# Altium PCB Mp_PCBv1.PcbDoc (part 2 of 2)
Units mil, origin at the board's own origin, x right, y up, seen from the top; angles counter-clockwise.
Board outline 3730 x 2135 mil, 2 copper layers (Top Layer, Bottom Layer); 127 components, 126 nets, 480 pads, 75 vias.
Unrouted connection lines stored in the file: 144.
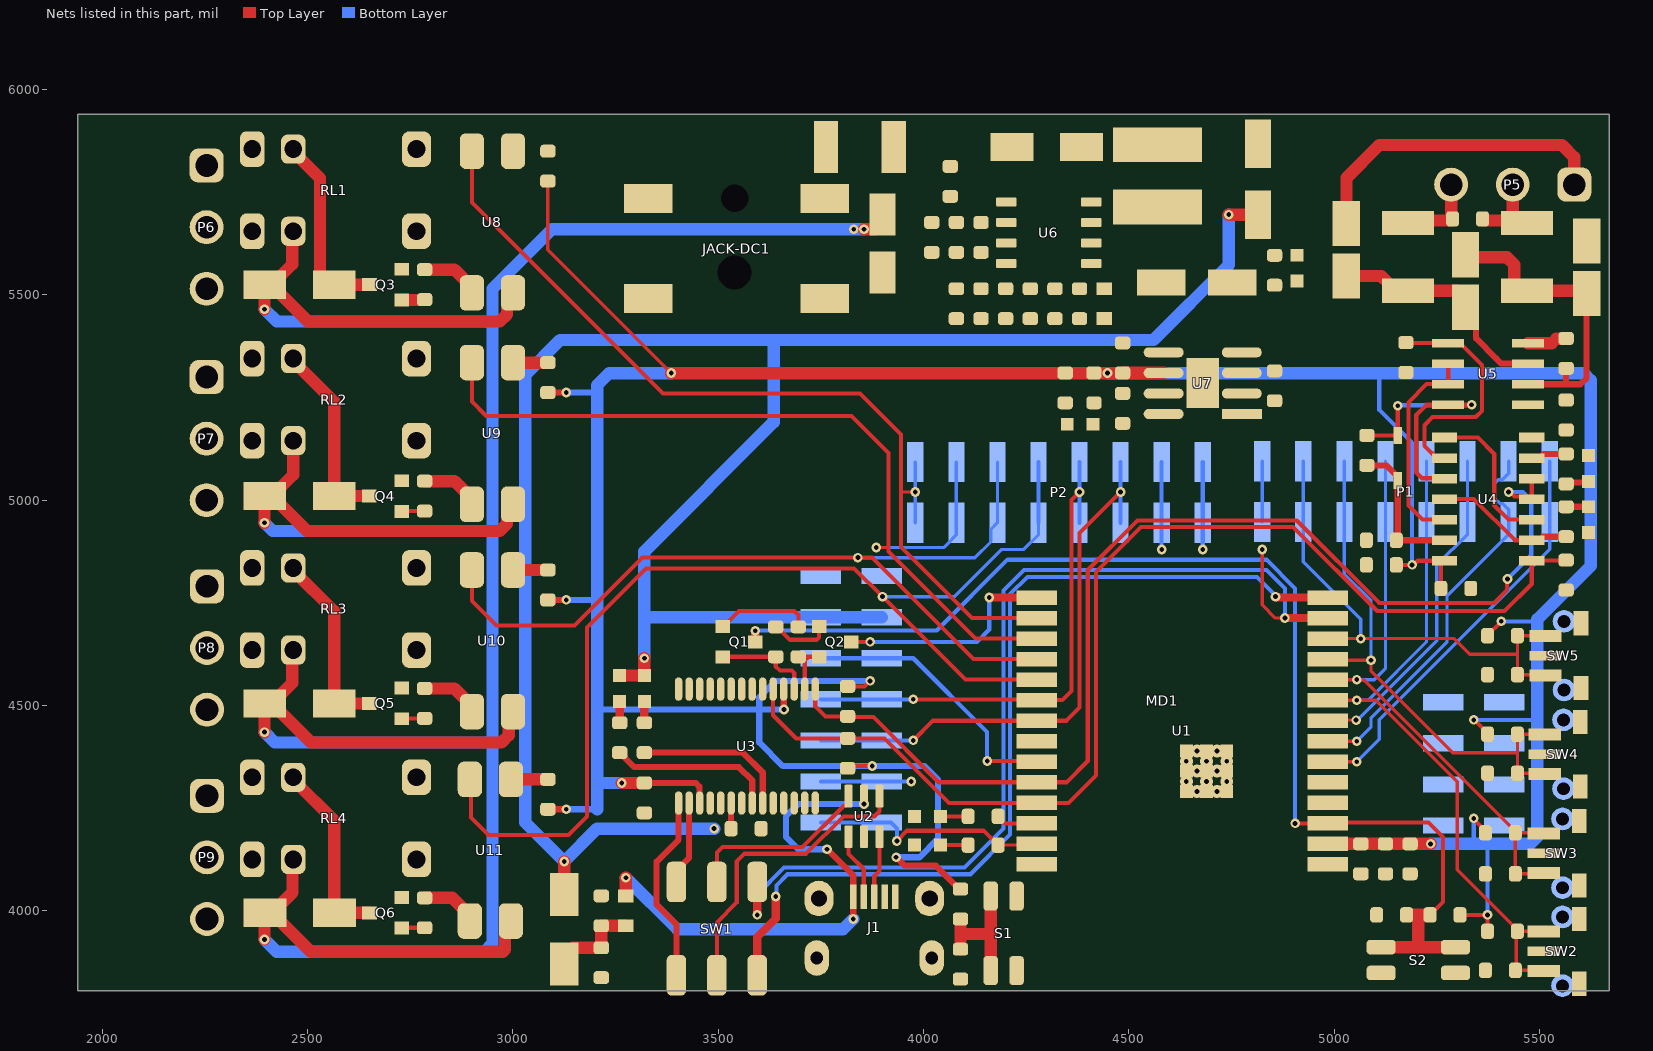
[diagram p2: the nets of this part, all layers, seen from the top]

## Part data (continued)
R22: library part CMP-009-00329-5, "RES, size 0603, 38 KOhm, 1/10 W, 5%", Case/Package=0603, LCSC Part #=N/A, Manufacturer=OEM, Operating Temperature Max="+ 85 C", Operating Temperature Min="- 40 C", Rated Power="1/10 W", Tolerance=5%, Component Type=Standard, ComponentLink1Description=Datasheet, ComponentLink1URL=N/A, Design Item ID=0006033835, Manufacturer Part Number=OEM, Mount=SMD/SMT, Packaging="Tape and Reel", Pins=2, Source=Resistor_0603.SchLib, Supplier 1 Part Number=N/A, Supplier 1 URL=N/A, Supplier 2 Part Number=N/A, Supplier 2 URL=N/A, Supplier 3 Part Number=N/A, Supplier 3 URL=N/A
R23: library part CMP-009-00236-5, "RES, size 0603, 150 KOhm, 1/10 W, 1%", Case/Package=0603, LCSC Part #=N/A, Manufacturer=OEM, Operating Temperature Max="+ 85 C", Operating Temperature Min="- 40 C", Rated Power="1/10 W", Supplier 1 Part Number=71-RCS0603150KFKEA, Supplier 2 Part Number="541-RCS0603150KFKEATR-ND 541-RCS0603150KFKEACT-ND 541-RCS0603150KFKEADKR-ND", Tolerance=1%, Component Type=Standard, ComponentLink1Description=Datasheet, ComponentLink1URL=https://www.vishay.com/docs/20065/rcse3.pdf, Design Item ID=0006031541, Manufacturer Part Number=OEM, Mount=SMD/SMT, Packaging="Tape and Reel", Pins=2, Source=Resistor_0603.SchLib, Supplier 1 URL=https://www.mouser.vn/ProductDetail/Vishay-Dale/RCS0603150KFKEA?qs=sGAEpiMZZMvdGkrng054t9clqp6gtJJdfH%252BXqq0SHQPcFX9vWgSfoA%3D%3D, Supplier 2 URL=https://www.digikey.com/en/products/detail/vishay-dale/RCS0603150KFKEA/5868719, Supplier 3 Part Number=N/A, Supplier 3 URL=N/A
R24: library part CMP-009-00300-5, "RES, size 0603, 28 Ohm, 1/10 W, 1%", Case/Package=0603, LCSC Part #=N/A, Manufacturer=OEM, Operating Temperature Max="+ 85 C", Operating Temperature Min="- 40 C", Rated Power="1/10 W", Supplier 1 Part Number=667-ERJ-PA3F28R0V, Supplier 2 Part Number=10-ERJ-UP3F28R0VTR-ND, Tolerance=1%, Component Type=Standard, ComponentLink1Description=Datasheet, ComponentLink1URL=https://api.pim.na.industrial.panasonic.com/file_stream/main/fileversion/4484, Design Item ID=0006032801, Manufacturer Part Number=OEM, Mount=SMD/SMT, Packaging="Tape and Reel", Pins=2, Source=Resistor_0603.SchLib, Supplier 1 URL=https://www.mouser.vn/ProductDetail/Panasonic/ERJ-PA3F28R0V?qs=sGAEpiMZZMvdGkrng054t6%2FAfIpq60YD5y71hYQ1i3rQySijSHDQhg%3D%3D, Supplier 2 URL=https://www.digikey.com/en/products/detail/panasonic-electronic-components/ERJ-UP3F28R0V/12092047, Supplier 3 Part Number=N/A, Supplier 3 URL=N/A
R25: library part CMP-009-00309-5, "RES, size 0603, 3.1  KOhm, 1/10 W, 1%", Case/Package=0603, LCSC Part #=N/A, Manufacturer=OEM, Operating Temperature Max="+ 85 C", Operating Temperature Min="- 40 C", Rated Power="1/10 W", Supplier 1 Part Number=652-CHP0603FX3011ELF, Supplier 2 Part Number=MCT06030C3101FP500-ND, Tolerance=1%, Component Type=Standard, ComponentLink1Description=Datasheet, ComponentLink1URL=N/A, Design Item ID=0006033121, Manufacturer Part Number=OEM, Mount=SMD/SMT, Packaging="Tape and Reel", Pins=2, Source=Resistor_0603.SchLib, Supplier 1 URL=https://www.mouser.vn/ProductDetail/Bourns/CHP0603-FX-3011ELF?qs=gZXFycFWdAOzN1n7XWkwdg%3D%3D, Supplier 2 URL=https://www.digikey.com/en/products/detail/vishay-beyschlag-draloric-bc-components/MCT06030C3101FP500/8124767, Supplier 3 Part Number=N/A, Supplier 3 URL=N/A
R26 R30 R34 R38: library part CMP-009-00275-5, "RES, size 0603, 220 Ohm, 1/10 W, 1%", Case/Package=0603, LCSC Part #=C107696, Manufacturer=YAGEO, Manufacturer Part Number=RC0603FR-07220RL, Operating Temperature Max="+ 85 C", Operating Temperature Min="- 40 C", Rated Power="1/10 W", Supplier 1 Part Number=603-RC0603FR-07220RL, Supplier 2 Part Number=N/A, Tolerance=1%, Component Type=Standard, ComponentLink1Description=Datasheet, ComponentLink1URL=https://www.mouser.vn/datasheet/2/447/YAGEO_PYu_RC_Group_51_RoHS_L_12-3313492.pdf, Design Item ID=0006032211, Mount=SMD/SMT, Packaging="Tape and Reel", Pins=2, Source=Resistor_0603.SchLib, Supplier 1 URL=https://www.mouser.vn/ProductDetail/YAGEO/RC0603FR-07220RL?qs=VU8sRB4EgwA1IyQ0vhXEEw%3D%3D, Supplier 2 URL=N/A, Supplier 3 Part Number=N/A, Supplier 3 URL=N/A
R28 R32 R35 R39: library part CMP-009-00277-5, "RES, size 0603, 2.2  KOhm, 1/10 W, 1%", Case/Package=0603, LCSC Part #=N/A, Manufacturer=OEM, Operating Temperature Max="+ 85 C", Operating Temperature Min="- 40 C", Rated Power="1/10 W", Supplier 1 Part Number=603-SR0603FR-7T2K2L, Supplier 2 Part Number=13-RC0603FR-132K2LTR-ND, Tolerance=1%, Component Type=Standard, ComponentLink1Description=Datasheet, ComponentLink1URL=N/A, Design Item ID=0006032221, Manufacturer Part Number=OEM, Mount=SMD/SMT, Packaging="Tape and Reel", Pins=2, Source=Resistor_0603.SchLib, Supplier 1 URL=https://www.mouser.vn/ProductDetail/YAGEO/SR0603FR-7T2K2L?qs=pfd5qewlna6SQQIuviAJZA%3D%3D, Supplier 2 URL=https://www.digikey.com/en/products/detail/yageo/RC0603FR-132K2L/13694214, Supplier 3 Part Number=N/A, Supplier 3 URL=N/A
RL1 RL2 RL3 RL4: library part CMP-008-00006-2, "Power/Signal Relay, 1 Form C, SPDT, Momentary, 0.0125A (Coil), 18VDC (Coil), 150mW (Coil), 2A (Contact), 60VDC (Contact), DC Input, AC/DC Output, Through Hole-Straight Mount", Coil Current(DC)-Max=13mA, Coil Operate Voltage(DC)=9.6V, Coil Power=150mW, Coil Release Voltage(DC)=1.2V, Coil Resistance=960R, Coil Voltage(DC)-Max=12V, Contact AC Max Rating R Load=2A@125VAC, Contact Current(AC)-Max=2A, Contact DC Max Rating R Load=2A@60VDC, Contact Voltage(AC)-Max=125V, Contact Voltage(DC)-Max=60V, Max Operating Temperature=70°C, Min Operating Temperature=-40°C, Body Breadth=7.5inch, Body Height=10mm, Body Length or Diameter=12.5mm, Coil/Input Supply Type=DC, Contact Current(DC)-Max=2A, Contact/Output Supply Type=AC/DC, Electrical Life=90000Cycles, Mounting Technology="Through Hole", Operate Time=5ms, Reach SVHC Compliant=Yes, Reference Standard=UL, Relay Action=MOMENTARY, Relay Function=SPDT, Relay Type="POWER/SIGNAL RELAY", Release Time=5ms, RoHS Compliant=Yes, Termination=Solder
S1 S2: library part CMP-011-00013-6, "Tactile Switch, 3x4x2.5mm", Mounting Technology=SMT, Pins=4
SW1: library part CMP-011-00019-3, "Slide switch 2.5"
SW2 SW3 SW4 SW5: library part CMP-011-00022-2, "Keypad Switch, 1 Switches, SPST, Momentary-tactile, 0.05A, 12VDC, 2.06N, Solder Terminal, Surface Mount-right Angle", Contact Current(DC)-Max=50mA, Contact DC Max Rating R Load=.05A@12VDC, Contact Voltage(DC)-Max=12V, Manufacturer Series=TL3340, Max Operating Temperature=85°C, Min Operating Temperature=-35°C, Operating Force-Max=2.06N, Body Breadth=3.4inch, Body Height=3.3mm, Body Length or Diameter=4.49mm, Circuit Configuration=1X1, Electrical Life=100000Cycles, JESD-609 Code=e4, Mounting Technology="Surface Mount", Number of Switches=1, Reach SVHC Compliant=Yes, RoHS Compliant=Yes, Switch Action=MOMENTARY-TACTILE, Switch Function=SPST, Switch Type=Keypad, Terminal Finish=Silver, Termination=Solder
U1: library part CMP-021-00010-2, "Module that supports 2.4 GHz Wi-Fi 6 (802.11ax), Bluetooth® 5 (LE), Zigbee and"
U2: library part CMP-004-00055-2, "17V Clamp 5A (8/20Âµs) Ipp Tvs Diode Surface Mount SOT-23-6"
U3: library part CMP-015-00000-6, "USB UART IC, -0.5 to 6 V, 24 mA, -40 to 85 degC, 28-Pin SSOP, RoHS, Tape and Reel", Case/Package=SSOP, Manufacturer="Future Technology Devices International (FTDI)", Max Operating Temperature=85°C, Max Supply Voltage=5.25V, Min Operating Temperature=-40°C, Min Supply Voltage=3.3V, Nominal Supply Voltage=5V, Package Quantity=2000, Channels=1, Data Rate=3Mbps, Datasheet URL=http://datasheet.octopart.com/FT232RL-FTDI-datasheet-120501.pdf, Datasheet Version="Rev. 1.04, 02/2006", Interface=UART, Locally Supplier Name=Thegioiic, Locally Supplier URL=https://www.thegioiic.com/ft232rl-ic-usb-to-serial-uart-28-ssop, Manufacturer URL=http://www.ftdichip.com/, Packaging=TapeandReel, Pins=16, RoHS Compliant=True
U4: library part CMP-016-00018-2, "Inverter, 4000/14000/40000 Series, 6-Func, 1-Input, CMOS, PDSO14", Case/Package=SOP, Max Operating Temperature=125°C, Max Supply Voltage=18V, Min Operating Temperature=-55°C, Min Supply Voltage=3V, Nominal Supply Voltage=5V, Logic Type=INVERTER, Pins=14, RoHS Compliant=Yes
U5: library part CMP-015-00010-1, "Line Transceiver, 1 Func, 1 Driver, 1 Rcvr, CMOS, PDSO8", Case/Package=SOP, Max Operating Temperature=70°C, Max Supply Voltage=5.25V, Min Operating Temperature=0°C, Min Supply Voltage=4.75V, Nominal Supply Voltage=5V, Pins=8, RoHS Compliant=Yes
U6: library part CMP-019-00051-4, "Switching Regulator, Current-mode, 2A, 570kHz Switching Freq-Max, PDSO8", Case/Package=SOP, Frequency=740kHz, Max Operating Temperature=150°C, Max Supply Voltage=28V, Min Operating Temperature=-40°C, Locally Supplier Name=Thegioiic, Locally Supplier URL=https://www.thegioiic.com/tps54231dr-ic-dieu-chinh-giam-ap-2a-8-soic, Pins=8, RoHS Compliant=Yes
U7: library part CMP-019-00056-2, "Adjustable Positive LDO Regulator, 0.5V Min, 5V Max, 0.6V Dropout, CMOS, PDSO8", Case/Package=HLSOP, Pins=8, RoHS Compliant=Yes
U8 U9 U10 U11: library part CMP-00026-00001-2, "PC817 series, SMD, I_F (max) = 500mA, V_F (max) = 1.4V."

## Via types
v1: diameter 23.62, hole 11.81, Top Layer to Bottom Layer, 63 vias
v2: diameter 31.5, hole 11.81, Top Layer to Bottom Layer, tented both sides, 12 vias

## Nets (pads, with @x,y where several pads share a name; then routed paths per layer and width w, separated by ;. In a path a pad name is that pad's centre, name@x,y a point inside that pad or via, vN(x,y) a via of type N, cw(c..) or ccw(c..) an arc to the next point about the centre after c; other vN are vias at no path point)
3V3: C1.2 C2.2 C3.2 C10.2 C11.2 C12.2 C24.2 R1.2 R2.2 R5.2 R6.2 R10.1 R11.1 R13.1 R23.2 R25.2 R26.1 R27.1 R29.1 R30.1 R31.1 R33.1 R34.1 R38.1 U1.2 U3.4 U3.17 U4.14 U5.8 U7.6 | length 9999
  Top Layer w8: R26.1@3085,5777.17 3085,5610 v1(3385.46,5309.54)
  Top Layer w10: U3.4@3659.41,4540 U3.4@3659.7,4539.7 ; v1@3659.7,4490.3 v1(3660,4490) ; R6.2@3815,4347.17 3820.33,4352.5 v1(3875,4352.5) ; R5.2@3815,4546.42 3856.42,4546.42 v1(3870,4560) ; C12.2@5151.42,4842.5 v1(5190,4842.5) 5193.69,4842.5 5203.69,4852.5 U4.14@5266.81,4852.5 ; C11.2@5260,4785 5260,4845.69 U4.14@5266.81,4852.5 ; U4.14@5268.7,4852.5 U4.14@5266.81,4852.5 ; R2.2@5306.42,3990 v1(5373.58,3990) R27.1@5373.58,3950 ; v1(5340,4225) 5340,4223.09 5368.58,4194.51 R29.1@5368.58,4190 ; v1(5340,4465) 5341.54,4465 5373.58,4432.95 R31.1@5373.58,4430 ; R33.1@5373.58,4670 5373.58,4671.4 v1(5407.19,4705)
  Top Layer w15: R38.1@3085,4247.17 v1(3130,4247.17) ; R34.1@3085,4757.17 v1(3130,4757.17) ; R30.1@3085,5262.17 v1(3130,5262.17) ; C10.2@3320,4311.42 3445.38,4311.42 3454.17,4302.63 3454.17,4262.96 U3.17@3454.68,4262.44 ; v1@3659.7,4490.3 U3.4@3659.7,4539.7 ; v1(3933.28,4130.4) 3953.67,4110 4029.88,4110 4087.05,4052.83 R1.2@4090,4052.83
  Top Layer w30: v1(3265,4311.42) C10.2@3320,4311.42 ; v1(3385.46,5309.54) v1(4447.99,5309.54) 4484.54,5309.54 C24.2@4485,5310 U7.6@4584.88,5310 ; U1.2@4984.65,4162.91 C3.2@5065,4162.91 C2.2@5125,4162.91 C1.2@5185,4162.91 v1(5235,4162.91) ; U5.8@5472.05,5382.5 5530,5382.5 ; 5540.67,5393.17 5564.25,5393.17 R10.1@5565,5393.92
  Bottom Layer w10: 5110,5309.54 5110,5220 5190,5140 v1(5190,4842.5) ; 5340,4162.91 v1(5340,4225) ; v1(5340,4465) 5495,4465 ; v1(5373.58,3990) 5373.58,4161.5 5375,4162.91 ; v1(5407.19,4705) 5490,4705 5495,4710
  Bottom Layer w15: v1(3130,4247.17) 3205,4247.17 ; v1(3130,4757.17) 3202.17,4757.17 3205,4760 ; v1(3130,5262.17) 3202.83,5262.17 3205,5260 ; 3205,4490 3600,4490 ; v1(3660,4490) 3600,4490 ; v1(3870,4560) 3640,4560 3600,4520 3600,4490 ; v1(3933.28,4130.4) 3990.4,4130.4 4035,4175 4035,4320 4002.5,4352.5 v1(3875,4352.5) 3657.5,4352.5 3600,4410 3600,4490
  Bottom Layer w30: 3205,4247.17 3205,4310 ; v1(3265,4311.42) 3206.42,4311.42 3205,4310 ; v1(3385.46,5309.54) 3234.54,5309.54 3205,5280 3205,5260 3205,4760 3205,4490 3205,4310 ; v1(4447.99,5309.54) 5110,5309.54 5607.43,5309.54 5625,5291.97 5625,4840 5495,4710 5495,4465 5495,4180.49 5477.43,4162.91 5375,4162.91 5340,4162.91 v1(5235,4162.91)
5V: C9.2 C17.1 C18.1 C23.2 D1.1 D2.2 D3.2 L1.2 MD1.6 R17.2 R18.2 U3.20 U7.2 U7.3 | length 5369.3
  Top Layer w15: C9.2@3531.46,4200 U3.20@3531.46,4262.44
  Top Layer w30: D1.1@3125,4039.65 v1(3125,4120) ; D3.2@3260,4572.99 D2.2@3320,4572.99 v1(3320,4615) ; v1(4743.28,5695.4) 4814.6,5695.4 C18.1@4815,5695
  Bottom Layer w30: v1(3320,4615) 3320,4715 ; v1(3490,4200) 3205,4200 v1(3125,4120) 3030,4215 3030,5305 3115,5390 3635,5390 ; MD1.6@3898.11,4715 MD1.6@3750,4715 3320,4715 ; v1(4743.28,5695.4) 4743.28,5573.28 4560,5390 3635,5390 ; 3320,4715 3320,4875 3635,5190 3635,5390
5V_USB: FB1.1 J1.1 U2.5 | length 1221.2
  Top Layer w15: v1(3765,4150) 3828.82,4086.18 J1.1@3828.82,4034.17 v1(3828.82,3980)
  Top Layer w30: FB1.1@3275,4036.42 v1(3275,4080.4)
  Bottom Layer w15: v1(3765,4150) 3695,4150 3665,4180 3665,4230 3695,4260 v1(3855,4260)
  Bottom Layer w30: v1@3275,4080 3400,3955 3803.82,3955 v1(3828.82,3980)
12V: C14.1 C15.1 C21.2 D13.2 D14.2 D15.2 D18.2 F3.2 R19.2 RL1.1 RL2.1 RL3.1 RL4.1 U6.2 U8.4 U9.4 U10.4 U11.4 | length 8559.8
  Top Layer w30: v1(2395,3930) 2395,3994.29 D18.2@2395.71,3995 D18.2@2413.43,3995 ; v1(2395,4435) 2395,4504.65 D15.2@2395.35,4505 D15.2@2413.07,4505 ; v1(2395,4945) 2395,5009.65 D14.2@2395.35,5010 D14.2@2413.07,5010 ; v1(2395,5465) 2395,5524.65 D13.2@2395.35,5525 D13.2@2413.07,5525 ; RL4.1@2465,4125 2462.99,4122.99 2462.99,4044.57 D18.2@2413.43,3995 ; RL3.1@2465,4635 2462.64,4632.64 2462.64,4554.57 D15.2@2413.07,4505 ; RL2.1@2465,5145 2465,5061.93 D14.2@2413.07,5010 ; RL1.1@2465,5655 2462.64,5652.64 2462.64,5574.57 D13.2@2413.07,5525 ; U11.4@2995,3975 2980.47,3960.47 2980.47,3905.47 2975,3900 2508.43,3900 D18.2@2413.43,3995 ; U10.4@3000,4485 2989.6,4474.6 2989.6,4427.57 2972.03,4410 2508.07,4410 D15.2@2413.07,4505 ; U9.4@3000,4990 2985.47,4975.47 2985.47,4942.57 2967.9,4925 2498.07,4925 D14.2@2413.07,5010 ; U8.4@3000,5505 2985.47,5490.47 2985.47,5452.57 2967.9,5435 2500.55,5435 2432.52,5503.03 2432.52,5505.55 D13.2@2413.07,5525 ; v1(3855,5660) 3883.5,5660 3900,5676.5 C14.1@3900,5695.87
  Bottom Layer w30: v1(2395,3930) 2425,3900 2930,3900 2950,3920 2950,4410 ; v1(2395,4435) 2420,4410 2950,4410 ; v1(2395,4945) 2415,4925 2950,4925 ; v1(2395,5465) 2425,5435 2950,5435 ; v1(3855,5660) v1(3830,5660) 3095,5660 2950,5515 2950,5435 ; 2950,4410 2950,4925 ; 2950,4925 2950,5435
E32_AUX: MD1.5 U1.23 | length 670.8
  Top Layer w10: v1(4155,4365) 4273.27,4365 U1.23@4275.35,4362.91
  Bottom Layer w10: MD1.5@3750,4615 MD1.5@3898.11,4615 3975,4615 4155,4435 v1(4155,4365)
E32_M0: MD1.1 P2.1 R36.1 U1.27 | length 801.7
  Top Layer w8: R36.1@4181.42,4160 4272.44,4160 U1.27@4275.35,4162.91
  Top Layer w10: v1(3935,4170) 3960,4195 4146.42,4195 4169.49,4171.93 4170.89,4171.93 4181.42,4161.4 R36.1@4181.42,4160
  Bottom Layer w10: MD1.1@3750,4215 MD1.1@3898.11,4215 3920.31,4215 3935,4200.31 v1(3935,4170) ; v1(4680,4880) P2.1@4680,4945 P2.1@4680,5093.11
E32_M1: MD1.2 P2.2 R37.1 U1.26 | length 534.9
  Top Layer w10: R37.1@4181.42,4230 4181.42,4228.6 4197.11,4212.91 U1.26@4275.35,4212.91
  Bottom Layer w10: MD1.2@3750,4315 MD1.2@3898.11,4315 v1(3970,4315) ; v1(4580,4880) P2.2@4580,4945 P2.2@4580,5093.11
E32_RXD: MD1.3 P2.3 U1.21 | length 1377.7
  Top Layer w10: v1(3975,4415) 4022.91,4462.91 U1.21@4275.35,4462.91 4347.91,4462.91 4380,4495 4380,4920 v1(4480,5020)
  Bottom Layer w10: MD1.3@3750,4415 MD1.3@3898.11,4415 v1(3975,4415) ; P2.3@4480,4945 v1(4480,5020) P2.3@4480,5093.11
E32_TXD: MD1.4 P2.4 U1.20 | length 1261.4
  Top Layer w10: v1(3975,4515) 4273.27,4515 U1.20@4275.35,4512.91 4337.91,4512.91 4360,4535 4360,5000 v1(4380,5020)
  Bottom Layer w10: MD1.4@3750,4515 MD1.4@3898.11,4515 v1(3975,4515) ; P2.4@4380,4945 v1(4380,5020) P2.4@4380,5093.11
ESP_BOOT: C4.1 Q2.3 R1.1 S1.1 S1.2 U1.15 | length 870.3
  Top Layer w10: Q2.3@3824.37,4655 v1(3870,4655)
  Top Layer w20: v1(4160,4762.91) U1.15@4275.35,4762.91
  Top Layer w30: C4.1@4090,3906.42 4090,3943.21 ; R1.1@4090,3980 4090,3943.21 ; S1.1@4163.5,3854.45 4163.5,3945 ; S1.2@4163.5,4035.55 4163.5,3945 ; 4090,3943.21 4161.71,3943.21 4163.5,3945
  Bottom Layer w10: v1(3870,4655) 4130,4655 4160,4685 v1(4160,4762.91)
ESP_EN: C5.2 Q1.3 R2.1 S2.3 S2.4 U1.3 | length 2907.9
  Top Layer w10: v1(4905,4212.91) U1.3@4984.65,4212.91 4986.73,4215 5230,4215 5265,4180 5265,4021.42 R2.1@5233.58,3990
  Top Layer w20: Q1.3@3590,4655 v1(3590,4682.19)
  Top Layer w30: S2.3@5114.45,3911.5 5205,3911.5 ; C5.2@5176.42,3990 5205,3990 ; R2.1@5233.58,3990 5205,3990 ; S2.4@5295.55,3911.5 5205,3911.5 ; 5205,3911.5 5205,3990
  Bottom Layer w10: v1(3590,4682.19) 4032.19,4682.19 4205,4855 4835,4855 4905,4785 v1@4905,4215
ESP_IO0: P1.3 U1.8 | length 814.3
  Top Layer w8: U1.8@4984.65,4462.91 4986.11,4464.38 v1(5053.53,4464.38)
  Bottom Layer w8: v1(5053.53,4464.38) 5056.47,4464.38 5250,4657.91 5250,4842.36 5325,4917.36 P1.3@5325,4946.89 P1.3@5325,5095
ESP_IO1: C25.2 P1.4 R27.2 SW2.1 SW2.3 U1.9 | length 1718.2
  Top Layer w8: U1.9@4984.65,4512.91 5101.66,4512.91 5300,4314.57 5300,4099.37 R27.2@5449.37,3950 ; SW2.1@5510.94,3853.03 5508.98,3855 C25.2@5441.42,3855 5443.92,3857.5 5443.92,3944.55 R27.2@5449.37,3950 ; SW2.3@5510.94,3949.49 5510.43,3950 R27.2@5449.37,3950
  Bottom Layer w8: v1@5060,4512.91 5082.91,4512.91 5225,4655 P1.4@5225,4946.89 P1.4@5225,5095
  other v1: 5055,4512.91
ESP_IO4: U1.4
ESP_IO5: U1.5
ESP_IO6: P1.1 U1.6 | length 997.1
  Top Layer w8: U1.6@4984.65,4362.91 v1(5055,4362.91)
  Bottom Layer w8: v1(5055,4362.91) 5110,4417.91 5110,4465 5525,4880 P1.1@5525,4946.89 P1.1@5525,5095
ESP_IO7: P1.2 U1.7 | length 943.9
  Top Layer w8: U1.7@4984.65,4412.91 v1(5055,4412.91)
  Bottom Layer w8: v1(5055,4412.91) 5090,4447.91 5090,4470 5275,4655 5275,4767.36 5425,4917.36 5425,4976.42 5409.31,4992.1 5402.9,4992.1 5390,5005 5390,5040 5400.07,5050.07 5409.31,5050.07 5425,5065.75 P1.2@5425,5095
ESP_IO8: C26.2 P1.5 R29.2 SW3.1 SW3.3 U1.10 | length 1438
  Top Layer w8: U1.10@4984.65,4562.91 v1(5055,4562.91) 5055.61,4562.3 5072.07,4562.3 5444.37,4190 5509.17,4190 SW3.3@5510.94,4188.23 ; R29.2@5441.42,4190 C26.2@5441.42,4090 5509.17,4090 SW3.1@5510.94,4091.77
  Bottom Layer w8: v1(5055,4562.91) 5097.91,4562.91 5125,4590 P1.5@5125,4946.89 P1.5@5125,5095
ESP_IO10: C27.2 P1.6 R31.2 SW4.1 SW4.3 U1.11 | length 1313.6
  Top Layer w8: U1.11@4984.65,4612.91 4987.56,4610 v1(5090,4610) 5090,4583.42 5288.42,4385 5446.42,4385 ; SW4.1@5513.39,4333.03 5511.42,4335 C27.2@5446.42,4335 5446.42,4385 ; SW4.3@5513.39,4429.49 5512.87,4430 R31.2@5446.42,4430 5446.42,4385
  Bottom Layer w8: P1.6@5025,5095 P1.6@5025,4946.89 5025,4820 5090,4755 v1(5090,4610)
ESP_IO11: C28.2 P1.7 R33.2 SW5.1 SW5.3 U1.12 | length 1200.4
  Top Layer w8: U1.12@4984.65,4662.91 5292.09,4662.91 5330,4625 5446.42,4625 ; SW5.1@5514.69,4573.16 5512.84,4575 C28.2@5446.42,4575 5446.42,4625 ; SW5.3@5514.69,4669.61 5514.3,4670 R33.2@5446.42,4670 5446.42,4625
  Bottom Layer w8: P1.7@4925,5095 P1.7@4925,4946.89 4925,4850 5065,4710 v1(5065,4662.56)
ESP_IO12: P1.8 SW1.3 U1.13 | length 2627.8
  Top Layer w8: v1(4825,4880) 4825,4745 4857.09,4712.91 v1(4880,4712.91)
  Top Layer w20: v1(3595,3990) SW1.3@3595,4070.24 ; v1@4880,4715 4880.98,4715 4883.07,4712.91 U1.13@4984.65,4712.91
  Bottom Layer w8: P1.8@4825,4946.89 P1.8@4825,5095
  Bottom Layer w10: v1(3595,3990) 3595,4040 3660,4105 4100,4105 4195,4200 4195,4780 4245,4830 4835,4830 4880,4785 v1@4880,4715
ESP_IO13: SW1.6 U1.14 | length 2257.2
  Top Layer w20: SW1.6@3595,3843.07 3595,3935.58 3640,3980.58 v1(3640,4035) ; v1(4857.19,4765) 4858.17,4765 4860.26,4762.91 U1.14@4984.65,4762.91
  Bottom Layer w10: v1(3640,4035) 3641.81,4036.81 3641.81,4061.81 3669,4089 4114,4089 4211,4186 4211,4771 4253,4813 4812,4813 4857.19,4767.81 v1(4857.19,4765)
ESP_IO18: P2.8 U1.16 U8.2 | length 2263.4
  Top Layer w8: 3945,5020 v1(3980,5020)
  Top Layer w10: U8.2@2900,5850 2900,5725 3365,5260 3845,5260 3945,5160 3945,5020 3945,4885.65 4117.74,4712.91 U1.16@4275.35,4712.91
  Bottom Layer w8: P2.8@3980,4945 v1(3980,5020) P2.8@3980,5093.11
ESP_IO19: P2.7 U1.17 U9.2 | length 2265.5
  Top Layer w8: v1(3885,4885) 3915,4885
  Top Layer w10: U9.2@2900,5335 2900,5240 2935,5205 3825,5205 3915,5115 3915,4885 3915,4875 4127.09,4662.91 U1.17@4275.35,4662.91
  Bottom Layer w8: v1(3885,4885) 4050,4885 4058.66,4893.66 4058.66,4894.13 4080,4915.47 P2.7@4080,4945 P2.7@4080,5093.11
ESP_IO20: P2.6 U1.18 U10.2 | length 2186.8
  Top Layer w10: U10.2@2900,4830 2900,4755 2960,4695 3150,4695 3315,4860 3875,4860 4122.09,4612.91 U1.18@4275.35,4612.91
  Bottom Layer w8: v1(3840,4860) 4125,4860 4164.31,4899.31 4164.31,4929.31 P2.6@4180,4945 P2.6@4180,5093.11
ESP_IO21: P2.5 U1.19 U11.2 | length 2759.5
  Top Layer w10: U11.2@2895,4320 2897.45,4317.55 2897.45,4227.55 2940,4185 3135,4185 3180,4230 3180,4690 3324,4834 3831,4834 v1(3900,4765) 4102.09,4562.91 U1.19@4275.35,4562.91
  Bottom Layer w8: v1(3900,4765) 4075,4765 4190,4880 4244.53,4880 4280,4915.47 P2.5@4280,4945
  Bottom Layer w10: P2.5@4280,4945 P2.5@4280,5093.11
ESP_RXD0: 
FT232_DTR: Q2.2 R3.2 U3.2 | length 133.4
  Top Layer w10: R3.2@3695,4618.58 3719.82,4618.58 ; U3.2@3710.59,4540 3710.59,4609.35 3719.82,4618.58 ; Q2.2@3745.63,4617.6 3744.65,4618.58 3719.82,4618.58
FT232_RTS: Q1.2 R4.1 U3.3 | length 243.4
  Top Layer w10: Q1.2@3511.26,4617.6 3512.24,4618.58 R4.1@3640,4618.58 3640,4595 3650,4585 3679.14,4585 3685,4579.14 U3.3@3685,4540
FT232_RXD: R6.1 R13.2 U1.25 U3.5 U4.1 | length 2820.9
  Top Layer w10: U3.5@3633.82,4540 3633.82,4476.18 3690,4420 R6.1@3815,4420 3905,4420 4062.09,4262.91 U1.25@4275.35,4262.91 4352.91,4262.91 4420,4330 4420,4825 4530,4935 4900,4935 5105,4730 5415,4730 5481.3,4796.3 U4.1@5481.3,4852.5 5482.01,4853.21 5564.29,4853.21 R13.2@5565,4853.92
FT232_TXD: R5.1 U1.24 U3.1 U4.4 U4.5 | length 2856.1
  Top Layer w10: U3.1@3736.18,4540 3736.18,4498.82 3761.42,4473.58 R5.1@3815,4473.58 3816.43,4472.16 3877.84,4472.16 4037.09,4312.91 U1.24@4275.35,4312.91 4347.91,4312.91 4400,4365 4400,4830 4521,4951 4909,4951 5110,4750 5390,4750 5421.11,4781.11 5421.11,4806.96 v1(5422.08,4807.92) ; v1(5425,5020) 5428.69,5020 5439.38,5009.31 5474.49,5009.31 U4.4@5481.3,5002.5 U4.5@5481.3,5052.5
  Bottom Layer w10: v1(5422.08,4807.92) 5480,4865.85 5480,5000 5460,5020 v1(5425,5020)
FT232_USBDM: SW1.1 U3.16 | length 205
  Top Layer w15: SW1.1@3398.15,4070.24 3398.15,4098.16 3429.09,4129.1 U3.16@3429.09,4262.44
FT232_USBDP: SW1.4 U3.15 | length 461.5
  Top Layer w15: SW1.4@3398.15,3843.07 3398.15,3966.85 3350,4015 3350,4120 3403.5,4173.5 U3.15@3403.5,4262.44
GND: C1.1 C2.1 C3.1 C4.2 C5.1 C6.1 C7.2 C9.1 C10.1 C11.1 C12.1 C13.1 C14.2 C15.2 C17.2 C18.2 C20.1 C21.1 C22.1 C23.1 C24.1 C25.1 C26.1 C27.1 C28.1 D4.1 D8.1 D10.1 D11.1 D12.1 D16.1 D17.1 J1.5 J1.Shell JACK-DC1.2 JACK-DC1.3 MD1.7 Q3.2 Q4.2 Q5.2 Q6.2 R14.2 R20.1 R21.1 R22.1 R24.1 S1.3 S1.4 S2.1 S2.2 SW2.2 SW2.6 SW2.7 SW3.2 SW3.6 SW3.7 SW4.2 SW4.6 SW4.7 SW5.2 SW5.6 SW5.7 U1.1 U1.28 U2.2 U3.7 U3.18 U3.21 U3.25 U3.26 U4.7 U5.5 U6.7 U7.1 U7.4 U7.5 U7.8 U7.9
  other v2: 4665.79,4290.79 4715,4290.79 4640,4315 4689.21,4315 4738.43,4315 4665.79,4340 4715,4340 4640,4364.21 4689.21,4364.21 4738.43,4364.21 4665.79,4389.21 4715,4389.21
MICRO_B_D+: SW1.5 U2.4 | length 732.1
  Top Layer w10: SW1.5@3496.57,3843.07 3496.57,3971.57 3545,4020 3545,4120 3564,4139 3714,4139 3805,4230 3880,4230 3892.4,4242.4 U2.4@3892.4,4279.41
MICRO_B_D-: SW1.2 U2.6 | length 459.8
  Top Layer w10: SW1.2@3496.57,4070.24 3496.57,4141.57 3510,4155 3705,4155 3806.85,4256.85 3812.76,4256.85 3817.6,4261.69 U2.6@3817.6,4279.41
NetC6_2: C6.2 C7.1 D1.2 FB1.2 | length 230.4
  Top Layer w30: D1.2@3125,3870.35 3125,3888.07 3146.93,3910 C6.2@3215,3910 C7.1@3215,3963.58 FB1.2@3275,3963.58
NetC13_2: C13.2 D9.1 R16.1 U4.13 | length 363.2
  Top Layer w15: R16.1@5080,5084.78 5127.44,5084.78 5151.67,5060.55 5151.67,5050.71 D9.1@5155,5047.38 5155,4906.08 C13.2@5151.42,4902.5 ; C13.2@5147.83,4902.5 C13.2@5151.42,4906.08 ; C13.2@5153.22,4902.5 U4.13@5268.7,4902.5
NetC16_1: C16.1 U6.1
NetC16_2: C16.2 D10.2 L1.1 U6.8
NetC19_1: C19.1 R22.2
NetC19_2: C19.2 C20.2 U6.6
NetC22_2: C22.2 U6.4
NetD2_1: D2.1 R7.1 | length 52.1
  Top Layer w20: R7.1@3320,4457.91 D2.1@3320,4510
NetD3_1: D3.1 R8.1 | length 52.1
  Top Layer w20: R8.1@3260,4457.91 D3.1@3260,4510
NetD4_2: D4.2 R9.2 | length 57.6
  Top Layer w15: R9.2@5565,5039.67 5568.17,5042.83 5616.83,5042.83 D4.2@5620,5046
NetD5_2: D5.2 D6.1 F1.1 R10.2 U5.6 | length 778.4
  Top Layer w15: U5.6@5472.05,5282.5 5565,5282.5 ; R10.2@5565,5321.08 5565,5282.5 ; D5.2@5615,5503.52 5615,5297.5 5600,5282.5 5565,5282.5
  Top Layer w30: D6.1@5325,5604.82 D6.1@5325,5626.48 ; D6.1@5325,5609.82 5343.46,5591.36 5421.14,5591.36 5438.72,5573.78 5438.72,5524.35 5453.24,5509.82 F1.1@5470,5509.82 5608.7,5509.82 D5.2@5615,5503.52
NetD6_2: D6.2 D7.1 F2.1 R14.1 U5.7 | length 574.7
  Top Layer w15: D6.2@5320,5470 5345.96,5444.04 5345.96,5394.04 5395,5345 5407.5,5332.5 U5.7@5472.05,5332.5
  Top Layer w30: D7.1@5030,5546.02 5114.43,5546.02 5132.01,5528.45 5132.01,5524.35 5146.54,5509.82 5301.54,5509.82 5320,5491.36 D6.2@5320,5470
NetD8_2: D8.2 R15.2 | length 55
  Top Layer w15: R15.2@5565,4983.92 5565.04,4983.96 D8.2@5620,4984 D8.2@5620,4984
NetD9_2: D9.2 R16.2 U4.10 U5.4 | length 682.9
  Top Layer w10: R16.2@5080,5157.62 D9.2@5155,5157.62 ; D9.2@5155,5163.44 v1(5155,5230) ; U4.10@5268.7,5052.5 5267.75,5053.45 5214.05,5053.45 5200,5067.5 5200,5207.5 5224.83,5232.33 5277.79,5232.33 U5.4@5277.95,5232.5 v1(5335,5232.5)
  Bottom Layer w10: v1(5155,5230) 5156.25,5231.25 5333.75,5231.25 v1(5335,5232.5)
NetD11_2: D11.2 R18.1
NetD12_2: D12.2 R25.1
NetD13_1: D13.1 Q3.3 RL1.2 | length 466.2
  Top Layer w30: RL1.2@2465,5855 2465,5849.09 2530,5784.09 2530,5544.45 2549.45,5525 D13.1@2564.65,5525 Q3.3@2650.63,5525
NetD14_1: D14.1 Q4.3 RL2.2 | length 461.6
  Top Layer w30: RL2.2@2465,5345 2465,5339.09 2564.65,5239.45 D14.1@2564.65,5010 Q4.3@2650,5010
NetD15_1: D15.1 Q5.3 RL3.2 | length 456.6
  Top Layer w30: RL3.2@2465,4835 2465,4829.09 2564.65,4729.45 D15.1@2564.65,4505 Q5.3@2650,4505
NetD16_2: D16.2 R36.2 | length 67.1
  Top Layer w10: D16.2@4041.5,4160 R36.2@4108.58,4160
NetD17_2: D17.2 R37.2 | length 67.1
  Top Layer w10: D17.2@4041.5,4230 R37.2@4108.58,4230
NetD18_1: D18.1 Q6.3 RL4.2 | length 457.1
  Top Layer w30: RL4.2@2465,4325 2465,4319.09 2565,4219.09 D18.1@2565,3995 Q6.3@2650.63,3995
NetF3_1: F3.1 JACK-DC1.1
NetJ1_2: J1.2 U2.1 | length 161.7
  Top Layer w10: U2.1@3817.6,4180.59 3817.6,4138.03 3854.41,4101.22 J1.2@3854.41,4034.17
NetJ1_3: J1.3 U2.3 | length 151.6
  Top Layer w10: J1.3@3880,4034.17 3880,4085 3892.4,4097.4 U2.3@3892.4,4180.59
NetJ1_4: J1.4
NetMD1_8: MD1.8
NetMD1_9: MD1.9
NetMD1_10: MD1.10
NetMD1_11: MD1.11
NetP6_1: P6.1 RL1.3
NetP6_2: P6.2 RL1.4
NetP6_3: P6.3 RL1.5
NetP7_1: P7.1 RL2.3
NetP7_2: P7.2 RL2.4
NetP7_3: P7.3 RL2.5
NetP8_1: P8.1 RL3.3
NetP8_2: P8.2 RL3.4
NetP8_3: P8.3 RL3.5
NetP9_1: P9.1 RL4.3
NetP9_2: P9.2 RL4.4
NetP9_3: P9.3 RL4.5
NetQ1_1: Q1.1 R3.1 | length 232
  Top Layer w10: Q1.1@3511.26,4692.4 3513.23,4692.4 3550.83,4730 3685,4730 3695,4720 R3.1@3695,4691.42
NetQ2_1: Q2.1 R4.2 | length 147.6
  Top Layer w10: R4.2@3640,4691.42 3642.95,4691.42 3674.37,4660 3739.77,4660 3745.63,4665.86 Q2.1@3745.63,4692.4
NetQ3_1: Q3.1 R28.1 | length 56
  Top Layer w30: Q3.1@2729.37,5487.6 2781.06,5487.6 2782.05,5488.58 R28.1@2785,5488.58
NetQ4_1: Q4.1 R32.1 | length 56.7
  Top Layer w10: Q4.1@2728.74,4972.6 2729.72,4973.58 R32.1@2785,4973.58
NetQ5_1: Q5.1 R35.1 | length 56.7
  Top Layer w10: Q5.1@2728.74,4467.6 2729.72,4468.58 R35.1@2785,4468.58
NetQ6_1: Q6.1 R39.1 | length 56
  Top Layer w10: Q6.1@2729.37,3957.6 2730.35,3958.58 R39.1@2785,3958.58
NetR7_2: R7.2 U3.23 | length 382.6
  Top Layer w15: R7.2@3320,4385.08 3559.92,4385.08 3608.23,4336.77 U3.23@3608.23,4262.44
NetR8_2: R8.2 U3.22 | length 407.2
  Top Layer w15: R8.2@3260,4385.08 3262.75,4385.08 3270.97,4376.86 3270.97,4374.11 3295.08,4350 3550,4350 3582.64,4317.36 U3.22@3582.64,4262.44
NetR9_1: R9.1 U4.6 | length 87.8
  Top Layer w15: U4.6@5481.3,5102.5 5500,5102.5 5510,5112.5 R9.1@5565,5112.5
NetR11_2: R11.2 U4.9 U5.1 | length 584.9
  Top Layer w10: R11.2@5175,5383.92 5175.71,5383.21 5277.24,5383.21 U5.1@5277.95,5382.5 5306.5,5382.5 5360,5329 5360,5217.5 5345,5202.5 5240,5202.5 5220,5182.5 5220,5132.5 5250,5102.5 U4.9@5268.7,5102.5
NetR15_1: R15.1 U4.2 U4.11 | length 341.3
  Top Layer w10: U4.11@5268.7,5002.5 5340,5002.5 5440,4902.5 U4.2@5481.3,4902.5
  Top Layer w15: U4.2@5481.3,4902.5 5500,4902.5 5508.58,4911.08 R15.1@5565,4911.08
NetR17_1: R17.1 R21.2 U6.5
NetR19_1: R19.1 R20.2 U6.3
NetR23_1: R23.1 R24.2 U7.7
NetR26_2: R26.2 U8.1
NetR28_2: R28.2 U8.3 | length 146.4
  Top Layer w30: R28.2@2785,5561.42 2857.36,5561.42 2900,5518.78 U8.3@2900,5505
NetR30_2: R30.2 U9.1 | length 85
  Top Layer w30: U9.1@3000,5335 R30.2@3085,5335
NetR32_2: R32.2 U9.3 | length 146.4
  Top Layer w30: R32.2@2785,5046.42 2857.36,5046.42 2900,5003.78 U9.3@2900,4990
NetR34_2: R34.2 U10.1 | length 85
  Top Layer w30: U10.1@3000,4830 R34.2@3085,4830
NetR35_2: R35.2 U10.3 | length 146.4
  Top Layer w30: R35.2@2785,4541.42 2857.36,4541.42 2900,4498.78 U10.3@2900,4485
NetR38_2: R38.2 U11.1 | length 90
  Top Layer w30: U11.1@2995,4320 R38.2@3085,4320
NetR39_2: R39.2 U11.3 | length 141.4
  Top Layer w30: R39.2@2785,4031.42 2852.36,4031.42 2895,3988.78 U11.3@2895,3975
NetSW2_4: SW2.4
NetSW2_5: SW2.5
NetSW3_4: SW3.4
NetSW3_5: SW3.5
NetSW4_4: SW4.4
NetSW4_5: SW4.5
NetSW5_4: SW5.4
NetSW5_5: SW5.5
NetU1_22: U1.22
NetU3_6: U3.6
NetU3_8: U3.8
NetU3_9: U3.9
NetU3_10: U3.10
NetU3_11: U3.11
NetU3_12: U3.12
NetU3_13: U3.13
NetU3_14: U3.14
NetU3_19: U3.19
NetU3_24: U3.24
NetU3_27: U3.27
NetU3_28: U3.28
NetU4_3: U4.3 U4.8 | length 368.7
  Top Layer w10: U4.8@5268.7,5152.5 5350,5152.5 5390,5112.5 5390,4987.5 5425,4952.5 U4.3@5481.3,4952.5
NetU4_12: U4.12 U5.2 U5.3 | length 519.1
  Top Layer w10: U4.12@5268.7,4952.5 5215,4952.5 5180.79,4986.71 5180.79,5238.29 5225,5282.5 U5.3@5277.95,5282.5 U5.2@5277.95,5332.5
RS485_A+: F1.2 P5.2 R12.2 | length 159.3
  Top Layer w30: R12.2@5361.42,5685 5361.42,5682.05 5362.17,5681.3 5426.59,5681.3 5435,5689.7 P5.2@5435,5768.64
RS485_B-: F2.2 P5.3 R12.1 | length 198.9
  Top Layer w30: F2.2@5180,5675.18 5186.12,5681.3 5287.83,5681.3 5287.83,5688.7 5285,5691.54 P5.3@5285,5768.64
RS485_COM: D5.1 D7.2 P5.1 | length 772.9
  Top Layer w30: D7.2@5030,5678.98 5030,5785 5110,5865 5555,5865 5585,5835 P5.1@5585,5768.64
pads on no net: JACK-DC1.0 SW2.18 SW2.19 SW3.18 SW3.19 SW4.18 SW4.19 SW5.18 SW5.19

## Keep-outs
Keep-Out Layer:
  the board outline again, w10

## Text inside footprints (layer, text, board x,y; h text height)
C14: Top Overlay "+" at 3919.68,5758.86 h48 r90
C17: Top Overlay "+" at 4822.48,5510.31 h48
C18: Top Overlay "+" at 4795.31,5624.13 h48 r270
D2: Top Overlay "+" at 3330,4631.5 h30 r180
D3: Top Overlay "+" at 3270,4631.5 h30 r180
D4: Top Overlay "+" at 5610,4987.5 h30
D8: Top Overlay "+" at 5630,5042.5 h30 r180
D11: Top Overlay "+" at 4920,5655 h30 r180
D12: Top Overlay "+" at 4291.5,5195 h30 r270
D16: Top Overlay "+" at 4100,4150 h30 r90
D17: Top Overlay "+" at 4100,4220 h30 r90
J1: Top Courtyard "PCB Edge" at 3828.82,3790.08 h16
MD1: Bottom Overlay "(TTL-1W)" at 4449.13,4380.17 h80 r180; Bottom Overlay "433T30D" at 4454.06,4294.3 h80 r180; Bottom Overlay "E32" at 4079.06,4392.89 h250 r180
RL1: Top Overlay "COM" at 2799.58,5710.05 h50 r90; Top Overlay "NC" at 2380.26,5795.21 h40 r315; Top Overlay "NO" at 2364.79,5720.26 h40 r45
RL2: Top Overlay "COM" at 2799.58,5200.05 h50 r90; Top Overlay "NC" at 2380.26,5285.21 h40 r315; Top Overlay "NO" at 2364.79,5210.26 h40 r45
RL3: Top Overlay "COM" at 2799.58,4690.05 h50 r90; Top Overlay "NC" at 2380.26,4775.21 h40 r315; Top Overlay "NO" at 2364.79,4700.26 h40 r45
RL4: Top Overlay "COM" at 2799.58,4180.05 h50 r90; Top Overlay "NC" at 2380.26,4265.21 h40 r315; Top Overlay "NO" at 2364.79,4190.26 h40 r45